# Altium PCB micromouse pcb.PcbDoc (part 1 of 2) (continued)
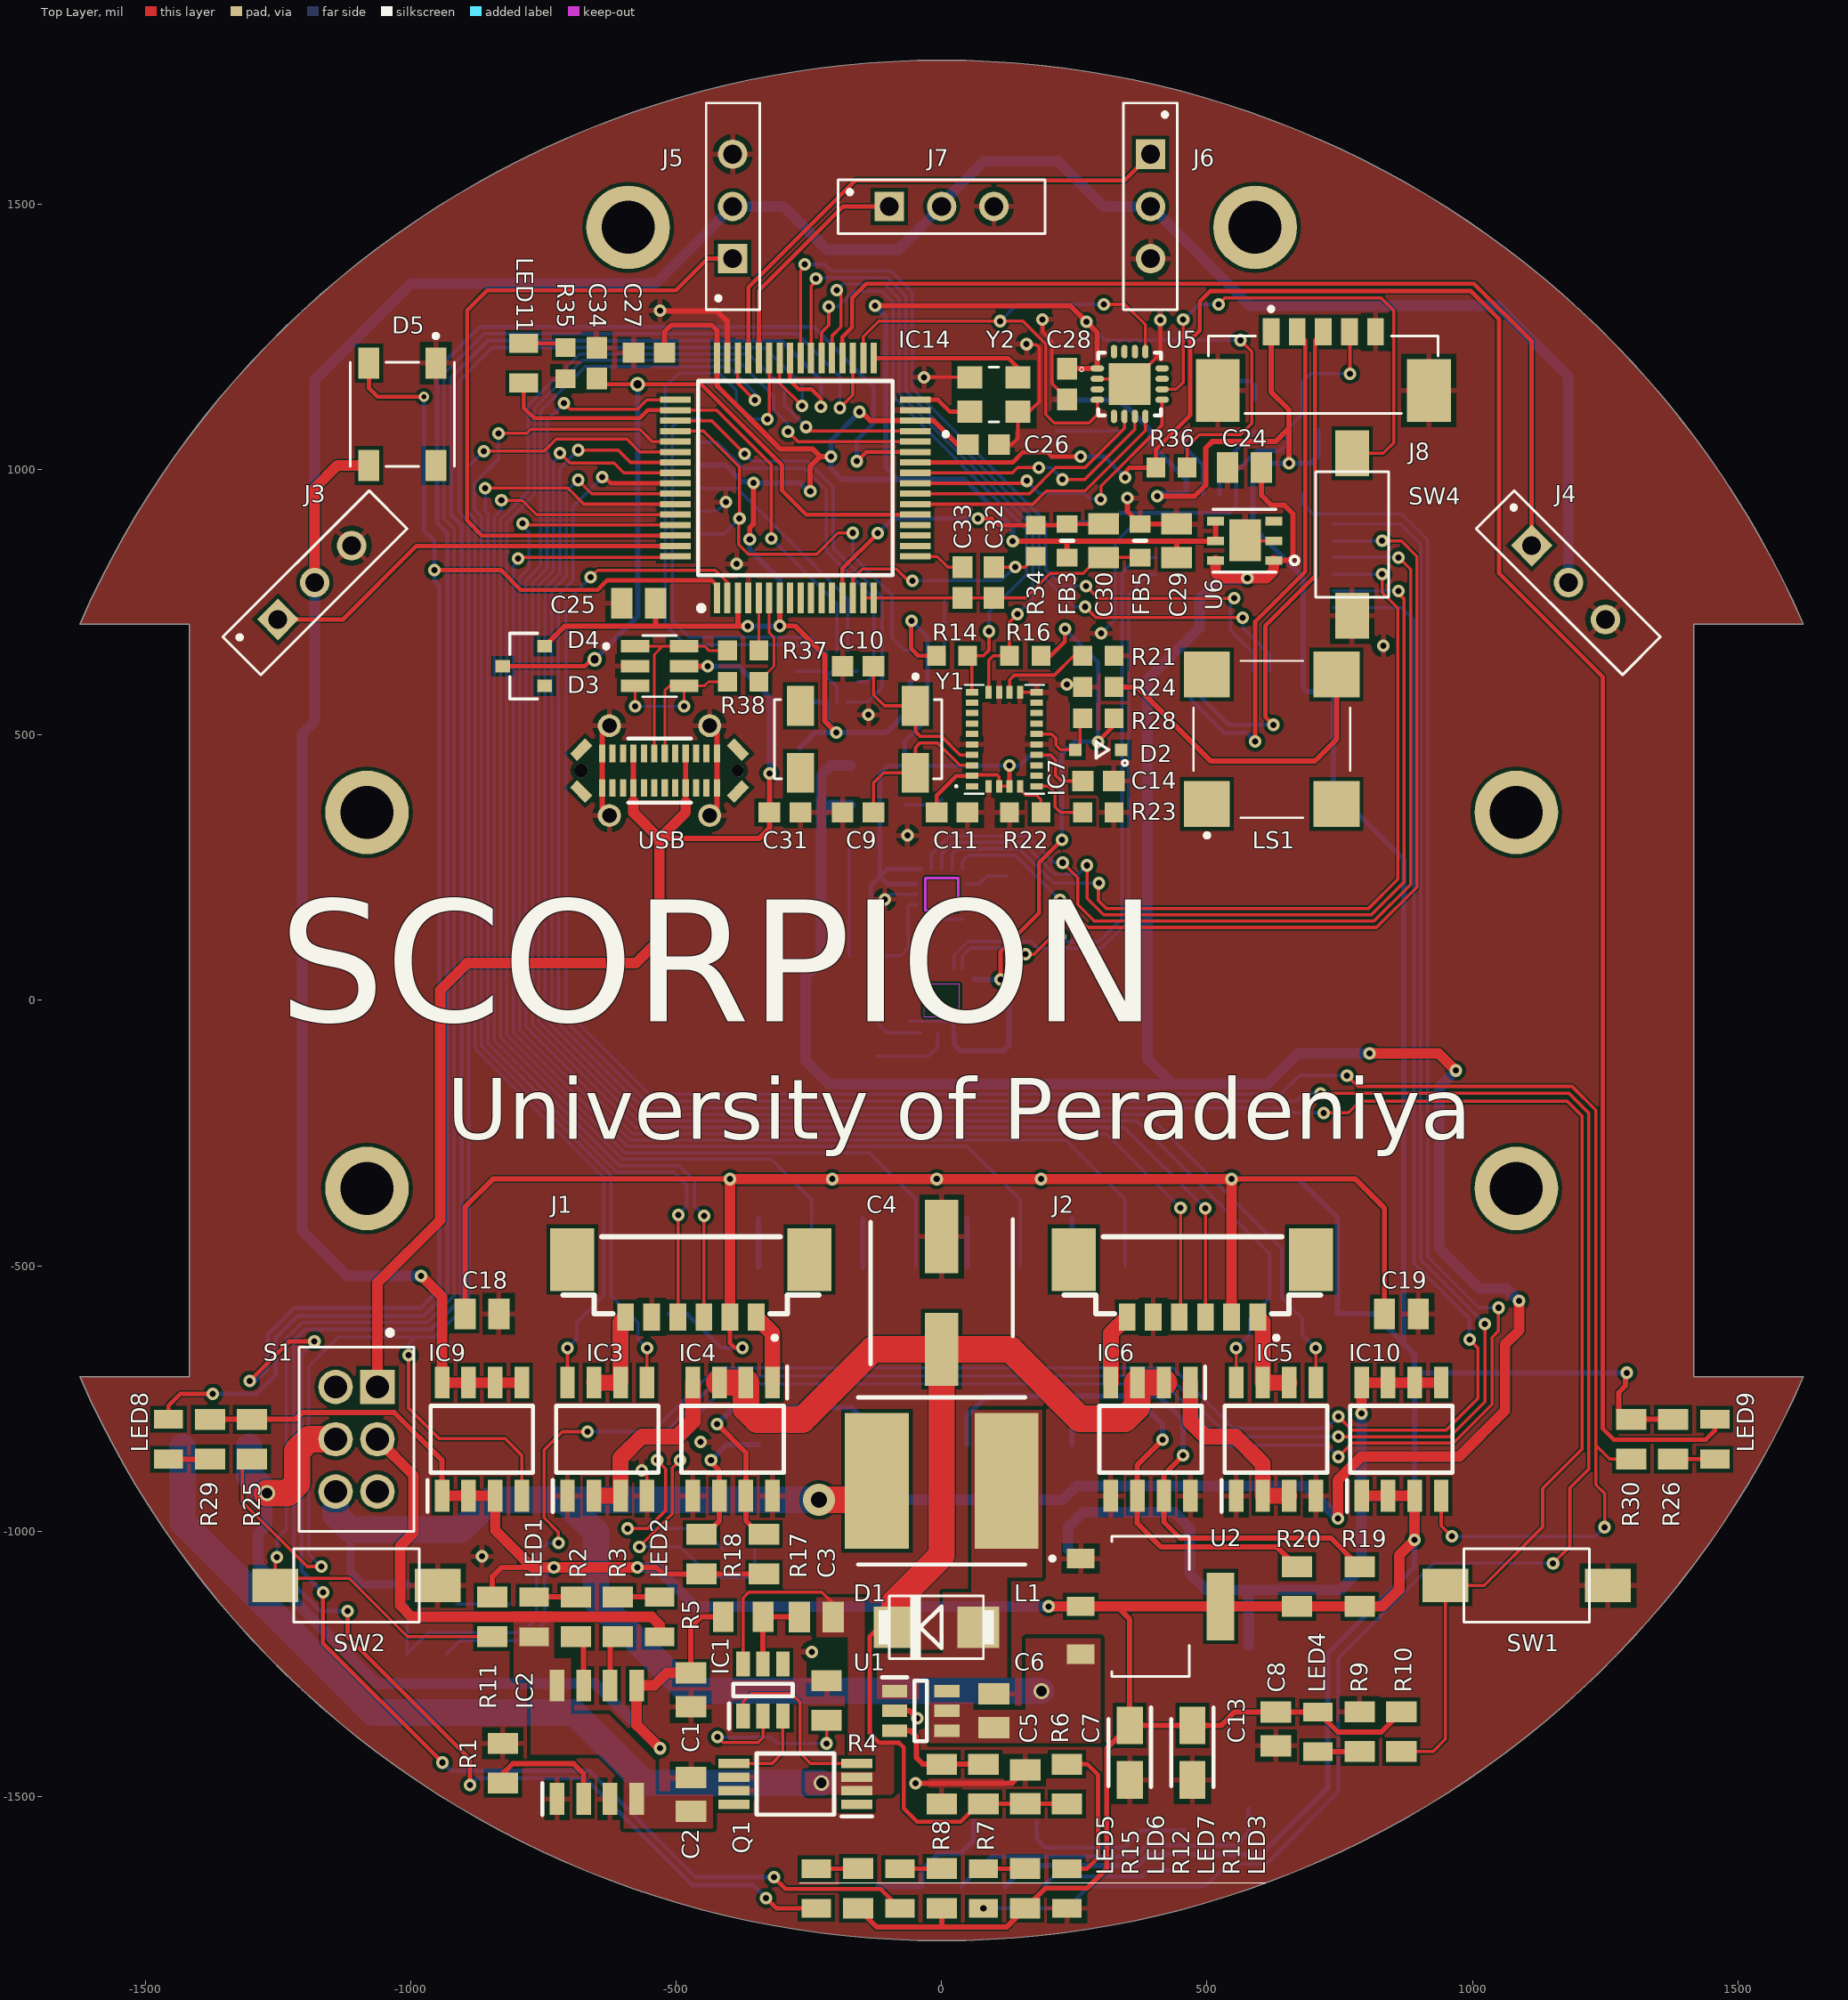
[diagram p0: Top Layer view]
## Components (designator, comment, footprint, x,y, rotation, side; value= is the part's Value field where it differs from the comment) (continued)
R36 "resistor" RESC1608X55N 433.07,1003.94 r0 top value=10K
R37 "resistor" RESC1608X55N -374.02,659.45 r180 top value=33
R38 "resistor" RESC1608X55N -374.02,600.39 r180 top value=33
R39 "resistor" RESC1608X55N 590.55,1102.36 r90 bottom value=33
R40 "CPF0805" RESC2012X65N -969.68,-1231 r0 bottom value=10K
R41 "CPF0805" RESC2012X65N -148.43,-374.02 r270 bottom value=1K
R42 "CPF0805" RESC2012X65N -345.28,-374.02 r270 bottom value=1K
R43 "CPF0805" RESC2012X65N 48.43,-374.02 r270 bottom value=1K
R44 "CPF0805" RESC2012X65N 245.28,-374.02 r270 bottom value=1K
R45 "CPF0805" RESC2012X65N -551.18,-590.55 r180 bottom value=100K
R46 "CPF0805" RESC2012X65N 708.66,-590.55 r180 bottom value=100K
R47 "CPF0805" RESC2012X65N -708.66,-590.55 r0 bottom value=2K
R48 "CPF0805" RESC2012X65N 551.18,-590.55 r0 bottom value=2K
R49 "resistor" RESC1608X55N -151,-41.5 r0 bottom value=0
R50 "resistor" RESC1608X55N -59.13,630 r270 bottom value=10K
R51 "resistor" RESC1608X55N 5,630 r270 bottom value=10K
S1 "1-1437575-7" *SW_1-1437575-7 -1102.36,-826.77 r270 top
SW1 "1437566-3" *TE_FSMSM 1102.36,-1102.36 r180 top
SW2 "1437566-3" *TE_FSMSM -1102.36,-1102.36 r180 top
SW3 "1437566-3" *TE_FSMSM 578.03,-1369.02 r90 bottom
SW4 "1437566-3" *TE_FSMSM 773.43,877.8 r270 top
SW5 "1437566-3" *TE_FSMSM 236.22,748.03 r90 bottom
U1 "MT3608" SOT95P280X145-6N -39.37,-1338.58 r0 top
U2 "AMS1117" *SOT229P700X180-4N 393.7,-1141.73 r0 top
U3 "BLUETOOTH-SERIAL-HC-06" *XCVR_BLUETOOTH-SERIAL-HC-06 -155.71,-1290.51 r270 bottom
U4 "MPU-9250" *QFN40P300X300X105-24N 0,0 r180 bottom
U5 "MKL02Z32VFG4" *QFN50P300X300X65-17N 354.33,1161.42 r0 top
U6 "LP38691SD-3.3" *DFN300X300X80-7N 570.87,866.14 r180 top
U7 "PC817X2NIP0F" *SOT254P975X400-4N -98.43,-669.29 r270 bottom
U8 "PC817X2NIP0F" *SOT254P975X400-4N 98.43,-669.29 r270 bottom
U9 "PC817X2NIP0F" *SOT254P975X400-4N -295.28,-669.29 r270 bottom
U10 "PC817X2NIP0F" *SOT254P975X400-4N 295.28,-669.29 r270 bottom
U12 "74LCX125BQX" *QFN50P300X250X85-15N -216.54,610.24 r270 bottom
U15 "NCP303LSN36T1G" TSOP-5 -960.08,-1099.84 r0 bottom
USB "USB4070-XX-X_REVC" *GCT_USB4070-XX-X_REVC_USB4070-XX-X_REVC(Primary) -531.5,433.07 r180 top
Y1 "ABS25-32.768KHZ-T" *XTAL_ABS25-32.768KHZ-6-1-T -157.48,492.13 r270 top
Y2 "NX3225SA-12.000M-STD-CRS-2" *OSCCC320X250X60N 98.43,1141.73 r0 top value=16MHz
Y3 "NX3225SA-12.000M-STD-CRS-2" *OSCCC320X250X60N 492.13,1122.05 r90 bottom value=16MHz

## Footprints (in the part's own frame and the unit in brackets; to place one, negate y for a bottom-side part, rotate by r counter-clockwise, add the part's x,y. Pads: shape width x height; smd on the part's side, far side on the other; paste and mask are expansions set on the pad)
533980671 [mm]
  rect 0.8x1.3 smd: 1(-3.125,0.15) 2(-1.875,0.15) 3(-0.625,0.15) 4(0.625,0.15) 5(1.875,0.15) 6(3.125,0.15)
  rect 2.1x3 smd: 7(-5.675,-2.6) 8(5.675,-2.6)
  silkscreen extent -6.12,-3.7 6.12,1.22, body extent -6.33,-3.98 6.32,0.22, height 4.69
*CAPC1608X95N [mm]
  rect 1.04x0.97 smd: 1(-0.74,0) 2(0.74,0)
  body extent -0.85,-0.45 0.85,0.45, height 0.9
*DFN300X300X80-7N [mil]
  rect 32x16 smd: 1(-55,37) 2(-55,0) 3(-55,-37) 4(55,-37) 5(55,0) 6(55,37)
  rect 59x79 smd: 7(-1,-1)
  silkscreen extent -102,-59 59,59, body extent -60,-61 58,57, height 31
*GCT_USB4070-XX-X_REVC_USB4070-XX-X_REVC(Primary) [mm]
  round 1.1 hole 0.7: 1(-2.4,2.15) 2(2.4,2.15) 7(-2.4,-2.15) 8(2.4,-2.15)
  rect 1.03x0.5 smd rot 45: 3(-3.75,1) 6(3.75,-1)
  rect 1.03x0.5 smd rot 135: 4(3.75,1) 5(-3.75,-1)
  rect 0.3x0.85 smd: A1(-2.75,0.83) A2(-2.25,0.83) A3(-1.75,0.83) A4(-1.25,0.83) A5(-0.75,0.83) A6(-0.25,0.83) A7(0.25,0.83) A8(0.75,0.83) A9(1.25,0.83) A10(1.75,0.83) A11(2.25,0.83) A12(2.75,0.83) B1(2.75,-0.83) B2(2.25,-0.83) B3(1.75,-0.83) B4(1.25,-0.83) B5(0.75,-0.83) B6(0.25,-0.83) B7(-0.25,-0.83) B8(-0.75,-0.83) B9(-1.25,-0.83) B10(-1.75,-0.83) B11(-2.25,-0.83) B12(-2.75,-0.83)
  round 0.58 hole 0.58 unplated: None(-3.75,0)
  round 0.66 hole 0.66 unplated: None(3.75,0)
  silkscreen extent -1.5,-1.53 1.5,1.53, body extent -4.47,-2.3 4.47,2.3, height 9.19
*LED_1655 [mm]
  rect 1.5x1 smd: 1(-2.45,1.6) 2(-2.45,-1.6) 3(2.45,-1.6) 4(2.45,1.6)
  silkscreen extent -3.85,-2.5 2.5,2.5, body extent -2.68,-2.47 2.67,2.48, height 1.5
*MOLEX_503182-1852_503182-1852(Primary) [mm]
  rect 0.8x1.24 smd: 1(-2.9,6.355) 2(-1.8,6.355) 3(-0.7,6.355) 4(0.4,6.355) 5(1.5,6.355) 6(2.6,6.355) 7(3.7,6.355) 8(4.8,6.355)
  rect 1.16x1.2 smd: DT(6.74,-5.275)
  rect 0.95x2.5 smd: P1(-7.245,5.725)
  rect 1.15x2.2 smd: P2(7.145,5.875) P3(-7.145,-5.605)
  rect 1.5x1.15 smd: P4(-2.84,-6.4) P5(4.94,-6.4)
  rect 1.16x1.25 smd: SW(6.74,3.725)
  silkscreen extent -7.07,-6.73 7.07,8.99, body extent -7.47,-6.7 7.47,8.25, height 1.45
*MOLEX_0022057035_5268-03A [mm]
  rect 1.408x1.408 hole 0.9: 1(-2.5,0)
  round 1.408 hole 0.9: 2(0,0) 3(2.5,0)
  silkscreen extent -4.95,-1.3 4.95,1.27, body extent -4.44,-4.22 4.45,6.7, height 19.68
*MOLEX_0533980571_0533980571(Primary) [mm]
  rect 0.8x1.3 smd: 1(-2.5,0.65) 2(-1.25,0.65) 3(0,0.65) 4(1.25,0.65) 5(2.5,0.65)
  rect 2.1x3 smd: S1(-5.05,-2.15) S2(5.05,-2.15)
  silkscreen extent -5.5,-3.25 5.5,1.85, body extent -5.7,-3.25 5.7,0.95, height 4.73
*OSCCC320X250X60N [mm]
  rect 1.21x1.06 smd: 1(-1.15,-0.825) 2(1.15,-0.825) 3(1.15,0.825) 4(-1.15,0.825)
  silkscreen extent -2.4,-2 0.23,1.31, body extent -1.6,-1.25 1.6,1.25, height 0.6
*QFN40P300X300X105-24N [mm]
  rect 0.64x0.22 smd: 1(-1.545,1) 2(-1.545,0.6) 3(-1.545,0.2) 4(-1.545,-0.2) 5(-1.545,-0.6) 6(-1.545,-1) 13(1.545,-1) 14(1.545,-0.6) 15(1.545,-0.2) 16(1.545,0.2) 17(1.545,0.6) 18(1.545,1)
  rect 0.22x0.64 smd: 7(-1,-1.545) 8(-0.6,-1.545) 9(-0.2,-1.545) 10(0.2,-1.545) 11(0.6,-1.545) 12(1,-1.545) 19(1,1.545) 20(0.6,1.545) 21(0.2,1.545) 22(-0.2,1.545) 23(-0.6,1.545) 24(-1,1.545)
  Keep-Out Layer region: -0.85,0.77 0.85,0.77 0.85,-0.77 -0.85,-0.77
  Keep-Out Layer region: -0.85,0.77 0.85,0.77 0.85,-0.77 -0.85,-0.77
  Keep-Out Layer region: -0.85,0.77 0.85,0.77 0.85,-0.77 -0.85,-0.77
  Keep-Out Layer region: -0.85,0.77 0.85,0.77 0.85,-0.77 -0.85,-0.77
  Keep-Out Layer region: -0.85,0.77 0.85,0.77 0.85,-0.77 -0.85,-0.77
  Keep-Out Layer region: -0.85,0.77 0.85,0.77 0.85,-0.77 -0.85,-0.77
  silkscreen extent -2.5,-1.55 1.55,1.55, body extent -1.5,-1.5 1.5,1.5, height 1
*QFN50P300X250X85-15N [mm]
  rect 0.27x0.78 smd: 1(-0.25,1.46) 7(-0.25,-1.46) 8(0.25,-1.46) 14(0.25,1.46)
  rect 0.78x0.27 smd: 2(-1.21,1) 3(-1.21,0.5) 4(-1.21,0) 5(-1.21,-0.5) 6(-1.21,-1) 9(1.21,-1) 10(1.21,-0.5) 11(1.21,0) 12(1.21,0.5) 13(1.21,1)
  rect 1.15x1.65 smd: 15(0,0)
  silkscreen extent -1.28,-1.53 1.28,2.5, body extent -1.25,-1.5 1.25,1.5, height 0.75
*QFN50P300X300X65-17N [mm]
  oval 0.65x0.3 smd: 1(-1.55,0.75) 2(-1.55,0.25) 3(-1.55,-0.25) 4(-1.55,-0.75) 9(1.55,-0.75) 10(1.55,-0.25) 11(1.55,0.25) 12(1.55,0.75)
  oval 0.3x0.65 smd: 5(-0.75,-1.55) 6(-0.25,-1.55) 7(0.25,-1.55) 8(0.75,-1.55) 13(0.75,1.55) 14(0.25,1.55) 15(-0.25,1.55) 16(-0.75,1.55)
  rect 2x2 smd: 17(0,0)
  silkscreen extent -2.4,-1.5 1.5,1.5, body extent -1.5,-1.5 1.5,1.5, height 0.81
*QFP80P900X900X160-32N [mm]
  rect 1.1x0.45 smd: 1(-4.25,2.8) 2(-4.25,2) 3(-4.25,1.2) 4(-4.25,0.4) 5(-4.25,-0.4) 6(-4.25,-1.2) 7(-4.25,-2) 8(-4.25,-2.8) 17(4.25,-2.8) 18(4.25,-2) 19(4.25,-1.2) 20(4.25,-0.4) 21(4.25,0.4) 22(4.25,1.2) 23(4.25,2) 24(4.25,2.8)
  rect 0.45x1.1 smd: 9(-2.8,-4.25) 10(-2,-4.25) 11(-1.2,-4.25) 12(-0.4,-4.25) 13(0.4,-4.25) 14(1.2,-4.25) 15(2,-4.25) 16(2.8,-4.25) 25(2.8,4.25) 26(2,4.25) 27(1.2,4.25) 28(0.4,4.25) 29(-0.4,4.25) 30(-1.2,4.25) 31(-2,4.25) 32(-2.8,4.25)
  silkscreen extent -3.4,-3.4 3.4,3.4, body extent -4.5,-4.5 4.5,4.5, height 1.5
*SMA [mm]
  rect 2x2 smd: A(1.75,0) C(-2.25,0)
  silkscreen extent -3,-1.5 2.5,1.5, body extent -2.92,-1.46 2.36,1.46, height 2.41
*SOD323_1N4148WS(Primary) [mm]
  rect 0.6x0.6 smd: A(1.1,0) C(-1.1,0)
  silkscreen extent -1.4,-0.4 0.1,0.76, body extent -1.25,-0.62 1.25,0.63, height 0.89
*SOT23-R [mm]
  rect 0.6x0.7 smd: 1(-0.95,-1) 2(0.95,-1) 3(0,1)
  silkscreen extent -1.57,-0.65 1.57,0.66, body extent -1.45,-1.2 1.45,1.2, height 1.07
*SOT95P280X145-6N [mm]
  rect 1.36x0.6 smd: 1(-1.175,0.95) 2(-1.175,0) 3(-1.175,-0.95) 4(1.175,-0.95) 5(1.175,0) 6(1.175,0.95)
  silkscreen extent -2.65,-1.46 0.81,1.46, body extent -1.43,-1.46 1.37,1.46, height 1.42
*SOT229P700X180-4N [mm]
  rect 1.31x0.93 smd: 1(-3.345,2.29) 2(-3.345,0) 3(-3.345,-2.29)
  rect 1.31x3.24 smd: 4(3.345,0)
  silkscreen extent -4.8,-3.36 1.86,3.36, body extent -3.63,-3.25 3.37,3.25, height 1.78
*SOT254P975X400-4N [mm]
  oval 2.25x1.6 smd: 1(-4.25,1.27) 2(-4.25,-1.27) 3(4.25,-1.27) 4(4.25,1.27)
  silkscreen extent -4.44,-2.3 2.85,2.94, body extent -5.02,-2.3 5.03,2.3, height 3.87
*SW_1-1437575-7 [mm]
  rect 1.65x1.65 hole 1.1: 1(-2.5,1)
  round 1.65 hole 1.1: 2(0,1) 3(2.5,1) 4(-2.5,-1) 5(0,-1) 6(2.5,-1)
  silkscreen extent -5.22,-2.75 4.4,2.75
*TE_FSMSM [mm]
  rect 2.19x1.6 smd: 1(-3.886,0) 2(3.886,0)
  silkscreen extent -3,-1.75 3,1.75, body extent -3.89,-1.79 3.89,1.79, height 2.54
*XCVR_BLUETOOTH-SERIAL-HC-06 [mm]
  rect 1.5x1 smd: 1(-6.5,6.5) 2(-6.5,5) 3(-6.5,3.5) 4(-6.5,2) 5(-6.5,0.5) 6(-6.5,-1) 7(-6.5,-2.5) 8(-6.5,-4) 9(-6.5,-5.5) 10(-6.5,-7) 11(-6.5,-8.5) 12(-6.5,-10) 13(-6.5,-11.5) 22(6.5,-11.5) 23(6.5,-10) 24(6.5,-8.5) 25(6.5,-7) 26(6.5,-5.5) 27(6.5,-4) 28(6.5,-2.5) 29(6.5,-1) 30(6.5,0.5) 31(6.5,2) 32(6.5,3.5) 33(6.5,5) 34(6.5,6.5)
  rect 1x1.5 smd: 14(-5.25,-13.25) 15(-3.75,-13.25) 16(-2.25,-13.25) 17(-0.75,-13.25) 18(0.75,-13.25) 19(2.25,-13.25) 20(3.75,-13.25) 21(5.25,-13.25)
  silkscreen extent -7.6,-13.25 6.5,13.45, body extent -6.5,-12.75 6.5,14.25, height 4.3
*XTAL_ABS25-32.768KHZ-6-1-T [mm]
  rect 1.9x1.3 smd: 1(-1.6,2.75) 2(-1.6,-2.75) 3(1.6,-2.75) 4(1.6,2.75)
  silkscreen extent -3.1,-4 1.9,4, body extent -2,-4 2,4, height 2.66
AST7525MAQ [mm]
  rect 2.2x2.2 smd: 1(-3.1,3.1) 2(3.1,3.1) 3(3.1,-3.1) 4(-3.1,-3.1)
  silkscreen extent -4.7,-3.75 3.75,3.75, body extent -3.98,-3.98 3.98,3.98, height 2.6
BEADC1608X95N [mm]
  rect 0.85x1 smd: 1(-0.8,0) 2(0.8,0)
  silkscreen extent 0,-0.3 0,0.3, body extent -0.8,-0.4 0.8,0.4, height 0.95
BNO055 [mm]
  rect 0.3x0.6 smd: 1(-2.25,1.55) 6(-2.25,-1.55) 7(-1.75,-1.55) 8(-1.25,-1.55) 9(-0.75,-1.55) 10(-0.25,-1.55) 11(0.25,-1.55) 12(0.75,-1.55) 13(1.25,-1.55) 14(1.75,-1.55) 15(2.25,-1.55) 20(2.25,1.55) 21(1.75,1.55) 22(1.25,1.55) 23(0.75,1.55) 24(0.25,1.55) 25(-0.25,1.55) 26(-0.75,1.55) 27(-1.25,1.55) 28(-1.75,1.55)
  rect 0.6x0.3 smd: 2(-2.25,0.75) 3(-2.25,0.25) 4(-2.25,-0.25) 5(-2.25,-0.75) 16(2.25,-0.75) 17(2.25,-0.25) 18(2.25,0.25) 19(2.25,0.75)
  silkscreen extent -2.6,-1.9 2.6,2.35, body extent -2.6,-1.9 2.6,1.9, height 1.1
CAPAE830X1050N [mm]
  rect 3.5x1.6 smd: 1(-2.7,0) 2(2.7,0)
  silkscreen extent -3.4,-3.4 3.53,3.4, body extent -3.9,-3.4 3.9,3.4, height 5.5
CAPC2012X94N [mm]
  rect 1.02x1.47 smd: 1(-0.81,0) 2(0.81,0)
  body extent -1,-0.62 1.01,0.63, height 0.94
CAPPM3216X180N [mm]
  rect 1.8x1.25 smd: 1(-1.3,0) 2(1.3,0)
  silkscreen extent -2.16,-1.02 1.64,1.02, body extent -1.6,-0.8 1.6,0.8, height 1.8
INDPM8080X420N [mm]
  rect 3.05x6.5 smd: 1(-3.1,0) 2(3.1,0)
  silkscreen extent -4,-4 4,4, body extent -5.05,-4.95 5.05,4.95, height 3.8
LEDC2012X80N [mm]
  rect 0.9x1.4 smd: 1(-0.95,0) 2(0.95,0)
  body extent -1,-0.62 1,0.63, height 0.8
PULL-BACK-QFN-16 [mm]
  rect 1x0.3 smd: 1(-1.2,1) 2(-1.2,0.5) 3(-1.2,0) 4(-1.2,-0.5) 5(-1.2,-1) 9(1.2,-1) 10(1.2,-0.5) 11(1.2,0) 12(1.2,0.5) 13(1.2,1)
  rect 0.3x1 smd: 6(-0.5,-1.2) 7(0,-1.2) 8(0.5,-1.2) 14(0.5,1.2) 15(0,1.2) 16(-0.5,1.2)
  Keep-Out Layer lines w0.127: 0.787,0.787 0.787,-0.787 -0.787,-0.787 -0.787,0.787 0.787,0.787
  silkscreen extent -2.04,-1.68 1.68,1.68, body extent -2.16,-1.5 2.92,2.03, height 0.78
QFP50P1200X1200X160-64N [mm]
  rect 1.475x0.3 smd: 1(-5.738,3.75) 2(-5.738,3.25) 3(-5.738,2.75) 4(-5.738,2.25) 5(-5.738,1.75) 6(-5.738,1.25) 7(-5.738,0.75) 8(-5.738,0.25) 9(-5.738,-0.25) 10(-5.738,-0.75) 11(-5.738,-1.25) 12(-5.738,-1.75) 13(-5.738,-2.25) 14(-5.738,-2.75) 15(-5.738,-3.25) 16(-5.738,-3.75) 33(5.738,-3.75) 34(5.738,-3.25) 35(5.738,-2.75) 36(5.738,-2.25) 37(5.738,-1.75) 38(5.738,-1.25) 39(5.738,-0.75) 40(5.738,-0.25) 41(5.738,0.25) 42(5.738,0.75) 43(5.738,1.25) 44(5.738,1.75) 45(5.738,2.25) 46(5.738,2.75) 47(5.738,3.25) 48(5.738,3.75)
  rect 0.3x1.475 smd: 17(-3.75,-5.738) 18(-3.25,-5.738) 19(-2.75,-5.738) 20(-2.25,-5.738) 21(-1.75,-5.738) 22(-1.25,-5.738) 23(-0.75,-5.738) 24(-0.25,-5.738) 25(0.25,-5.738) 26(0.75,-5.738) 27(1.25,-5.738) 28(1.75,-5.738) 29(2.25,-5.738) 30(2.75,-5.738) 31(3.25,-5.738) 32(3.75,-5.738) 49(3.75,5.738) 50(3.25,5.738) 51(2.75,5.738) 52(2.25,5.738) 53(1.75,5.738) 54(1.25,5.738) 55(0.75,5.738) 56(0.25,5.738) 57(-0.25,5.738) 58(-0.75,5.738) 59(-1.25,5.738) 60(-1.75,5.738) 61(-2.25,5.738) 62(-2.75,5.738) 63(-3.25,5.738) 64(-3.75,5.738)
  silkscreen extent -6.35,-4.65 4.65,4.65, body extent -6,-6 6,6, height 1.6
RESC1608X55N [mm]
  rect 0.9x0.95 smd: 1(-0.75,0) 2(0.75,0)
  body extent -0.77,-0.4 0.77,0.4, height 0.55
RESC2012X65N [mm]
  rect 1x1.45 smd: 1(-0.95,0) 2(0.95,0)
  body extent -1,-0.62 1,0.63, height 0.65
SI4143DY-T1-GE3 [mm]
  rect 1.525x0.7 smd: 1(-2.712,1.905) 2(-2.712,0.635) 3(-2.712,-0.635) 4(-2.712,-1.905) 5(2.712,-1.905) 6(2.712,-0.635) 7(2.712,0.635) 8(2.712,1.905)
  silkscreen extent -3.47,-2.45 1.6,2.61, body extent -3,-2.45 3,2.45, height 1.75
SOIC127P600X175-8N [mm]
  rect 1.525x0.7 smd: 1(-2.712,1.905) 2(-2.712,0.635) 3(-2.712,-0.635) 4(-2.712,-1.905) 5(2.712,-1.905) 6(2.712,-0.635) 7(2.712,0.635) 8(2.712,1.905)
  silkscreen extent -3.47,-2.45 1.6,2.6, body extent -3,-2.45 3,2.45, height 1.75
SOIC127P600X175-9N [mm]
  rect 1.525x0.7 smd: 1(-2.712,1.905) 2(-2.712,0.635) 3(-2.712,-0.635) 4(-2.712,-1.905) 5(2.712,-1.905) 6(2.712,-0.635) 7(2.712,0.635) 8(2.712,1.905)
  rect 2.513x3.402 on Mech1: 9(0,0)
  silkscreen extent -3.47,2.61 -1.95,2.61, body extent -3,-2.45 3,2.45, height 1.75
SOP65P640X120-8N [mm]
  rect 1.475x0.45 smd: 1(-2.938,0.975) 2(-2.938,0.325) 3(-2.938,-0.325) 4(-2.938,-0.975) 5(2.938,-0.975) 6(2.938,-0.325) 7(2.938,0.325) 8(2.938,0.975)
  silkscreen extent -3.68,-1.47 1.85,1.55, body extent -3.2,-1.47 3.2,1.47, height 1.2
SOT95P280X135-6N [mm]
  rect 1.2x0.65 smd: 1(-1.25,0.95) 2(-1.25,0) 3(-1.25,-0.95) 4(1.25,-0.95) 5(1.25,0) 6(1.25,0.95)
  silkscreen extent -1.85,-1.43 0.3,1.63, body extent -1.4,-1.42 1.4,1.43, height 1.35
SOT95P280X145-5N [mil]
  rect 50x22 smd: 1(-51,37) 2(-51,0) 3(-51,-37) 4(51,-37) 5(51,37)
  silkscreen extent -21,-60 34,60, body extent -105,-75 55,57, height 153
SOT95P280X145-6N [mm]
  rect 1.2x0.6 smd: 1(-1.25,0.95) 2(-1.25,0) 3(-1.25,-0.95) 4(1.25,-0.95) 5(1.25,0) 6(1.25,0.95)
  silkscreen extent -1.85,-1.45 0.3,1.6, body extent -1.4,-1.45 1.4,1.45, height 1.45
TSOP-5 [mil]
  rect 52x22 smd: 1(-47,37.4) 2(-47,0) 3(-47,-37.4) 4(47,-37.4) 5(47,37.4)
  silkscreen extent -34,-64 34,64, body extent -59,-59 59,59, height 43

## Part data
C1 C2 C3 C5 C6 C8 C18 C19 C21 C23 C24 C25 C29 C30 C46: "Capacitor", Manufacturer_Name=AVX, Mouser Part Number=581-08055A101J, RS Part Number=0391000P, Allied_Number=70474488, Allied Price/Stock=https://www.alliedelec.com/avx-08055a101jat2a/70474488/, Datasheet Link=https://componentsearchengine.com/Datasheets/1/06031A100FAT2A.pdf, Height=0.94mm, Manufacturer_Part_Number=08055A101JAT2A, Mouser Price/Stock=https://www.mouser.com/Search/Refine.aspx?Keyword=581-08055A101J, RS Price/Stock=http://uk.rs-online.com/web/p/products/0391000P
C4: "Capacitor Polarised", Manufacturer_Name=Nichicon, Mouser1 Part Number=647-UUD1E221MNL, RS Part Number=7393453P, Allied_Number=70409814, Allied Price/Stock=https://www.alliedelec.com/nichicon-uud1e221mnl1gs/70409814/, Datasheet Link=https://www.mouser.com/datasheet/2/293/e-uud-1513238.pdf, Height=10.5mm, Manufacturer_Part_Number=UUD1E221MNL1GS, Mouser1 Price/Stock=https://www.mouser.com/Search/Refine.aspx?Keyword=647-UUD1E221MNL, RS Price/Stock=http://uk.rs-online.com/web/p/products/7393453P
C7 C13 C20 C22: "Capacitor Polarised"
C9 C10 C11 C12 C14 C15 C16 C17 C26 C27 C28 C31 C32 C33 C34 C35 C36 C37 C38 C39 C40 C41 C42 C43 C44 C45 C47: "Capacitor"
D1: library part SS34_1, "Diode Schottky 40V 3A 2-Pin SMC T/R", Package="DO-214AB-214 ON Semiconductor", Availability=Unavailable, MF="ON Semiconductor", MP=SS34, Price=None, SnapEDA_Link=https://www.snapeda.com/parts/SS34/ON%20Semiconductor/view-part/?ref=snap
D2: "Diode Switching 75V 0.3A 2-Pin SOD-323 T/R", Package="S-0 Good-Ark", Availability=Unavailable, MF="ON Semiconductor", MP=1N4148WS, Price=None, SnapEDA_Link=https://www.snapeda.com/parts/1N4148WS/ON%20Semiconductor/view-part/?ref=snap
D3: Package="SOT-23-3 ON Semiconductor", Availability=Unavailable, MF="ON Semiconductor", MP=BAT54C, Price=None, SnapEDA_Link=https://www.snapeda.com/parts/BAT54C/ON%20Semiconductor/view-part/?ref=snap
D4: "USBLC6 Series 2 Line 6 V Uni / Bi-Directional ESD Protection - SOT-23-6", Package="SOT-23-6 STMicroelectronics", Availability=Unavailable, MF=STMicroelectronics, MP=USBLC6-2SC6, Price=None, SnapEDA_Link=https://www.snapeda.com/parts/USBLC6-2SC6/STMicroelectronics/view-part/?ref=snap
D5: "Addressable Lighting Neopixel 10 LED Discrete Serial _Shift Register_ Red, Green, Blue _RGB_ 5.00mm L x 5.00mm W", Package="TO-3 Adafruit", Digi-Key_Part_Number=1528-1104-ND, Digi-Key_Purchase_URL=https://www.digikey.lk/product-detail/en/adafruit-industries-llc/1655/1528-1104-ND/5154679?utm_source=snapeda&utm_medium=aggregator&utm_campaign=symbol, MF=Adafruit, MP=1655, SnapEDA_Link=https://www.snapeda.com/parts/1655/Adafruit%20Industries/view-part/4299409/?ref=snap
FB2 FB3 FB5: "Ferrite Bead"
IC1: "Integrated Circuit", Manufacturer_Name="Fortune Semiconductor Corporation", Datasheet Link=https://cdn.sparkfun.com/assets/learn_tutorials/2/5/1/DW01-P_DataSheet_V10.pdf, Height=1.35mm, Manufacturer_Part_Number=DW01-P
IC2: "Integrated Circuit", Manufacturer_Name="NanJing Top Power", Datasheet Link=https://dlnmh9ip6v2uc.cloudfront.net/datasheets/Prototyping/TP4056.pdf, Height=1.75mm, Manufacturer_Part_Number=TP4056
IC3 IC5: "Integrated Circuit", Manufacturer_Name="Maxim Integrated", Mouser Part Number=700-MAX471CPANR, RS Part Number=0810352, Datasheet Link=https://pdfserv.maximintegrated.com/en/ds/MAX471-MAX472.pdf, Height=1.75mm, Manufacturer_Part_Number=MAX471CPA, Mouser Price/Stock=https://www.mouser.com/Search/Refine.aspx?Keyword=700-MAX471CPANR, RS Price/Stock=http://uk.rs-online.com/web/p/products/0810352
IC4 IC6: "Integrated Circuit", Manufacturer_Name="Wuxi I-core Elec", Datasheet Link=https://datasheet.lcsc.com/szlcsc/Wuxi-Zhongwei-Aisin-Elec-L9110S_C85174.pdf, Height=1.75mm, Manufacturer_Part_Number=L9110S
IC7: "Integrated Circuit", Manufacturer_Name="Bosch Sensortec", Mouser Part Number=262-BNO055, Datasheet Link=https://ae-bst.resource.bosch.com/media/_tech/media/datasheets/BST_BNO055_DS000_14.pdf, Height=1mm, Manufacturer_Part_Number=BNO055, Mouser Price/Stock=https://www.mouser.com/Search/Refine.aspx?Keyword=262-BNO055
IC8 IC9 IC10 IC12: "Integrated Circuit"
IC13: "Entry-level ARM Cortex-M0 USB line MCU with 32 Kbytes Flash, 48 MHz CPU, USB, CAN and CEC functions", Package="LQFP-32 STMicroelectronics", Availability=Unavailable, MF=STMicroelectronics, MP=STM32F042K6T7, Price=None, SnapEDA_Link=https://www.snapeda.com/parts/STM32F042K6T7/STMicroelectronics/view-part/?ref=snap
IC14: library part MK20DX256VLH7_1, "Kinetis K20: 72MHz Cortex-M4 Performance MCU, 288KB Flash, 64KB SRAM, Full-Speed USB, 64-LQFP", Package="LQFP-64 NXP Semiconductors", Availability=Unavailable, MF="NXP USA", MP=MK20DX256VLH7, Price=None, SnapEDA_Link=https://www.snapeda.com/parts/MK20DX256VLH7/NXP%20USA%20Inc./view-part/?ref=snap
J1 J2: library part 53398-0671, "Connector", Manufacturer_Name=Molex, Mouser Part Number=538-53398-0671, RS Part Number=5427214P, Allied_Number=70090674, Allied Price/Stock=http://www.alliedelec.com/molex-incorporated-53398-0671/70090674/, Datasheet Link=http://docs-emea.rs-online.com/webdocs/13c4/0900766b813c4502.pdf, Manufacturer_Part_Number=53398-0671, Mouser Price/Stock=https://www.mouser.com/Search/Refine.aspx?Keyword=538-53398-0671, RS Price/Stock=http://uk.rs-online.com/web/p/products/5427214P
J3 J4 J5 J6 J7: "Socket; wire-board; male; PIN: 3; 2.5mm; THT; SPOX; 3A; tinned; 20", Package=None, Availability=Unavailable, MF=Molex, MP="0022057035 5268-03A", Price=None, SnapEDA_Link=https://www.snapeda.com/parts/0022057035%205268-03A/Molex/view-part/?ref=snap
J8: "Conn Shrouded Header HDR 5 POS 1.25mm Solder ST SMD PicoBladeÃ¢â¢ Embossed T/R", Package=None, Availability=Unavailable, MF=Molex, MP=0533980571, Price=None, SnapEDA_Link=https://www.snapeda.com/parts/0533980571/Molex/view-part/472893/?ref=snap
J9: "MICRO SD NORMAL ULTRALOWPRO8CKTE", Package=None, Availability=Unavailable, MF=Molex, MP=5031821852, Price=None, SnapEDA_Link=https://www.snapeda.com/parts/5031821852/Molex/view-part/?ref=snap
L1: "Inductor", Manufacturer_Name="Wurth Elektronik", Mouser Part Number=710-74404084220, RS Part Number=8164733P, Datasheet Link=https://katalog.we-online.de/pbs/datasheet/74404084220.pdf, Height=4.2mm, Manufacturer_Part_Number=74404084220, Mouser Price/Stock=https://www.mouser.com/Search/Refine.aspx?Keyword=710-74404084220, RS Price/Stock=http://uk.rs-online.com/web/p/products/8164733P
LED1 LED2 LED3 LED4 LED5 LED6 LED7 LED8 LED9 LED10 LED11: "LED", Manufacturer_Name="Wurth Elektronik", Mouser Part Number=710-150080BS75000, RS Part Number=8154228P, Datasheet Link=https://katalog.we-online.com/led/datasheet/150080BS75000.pdf, Height=0.8mm, Manufacturer_Part_Number=150080BS75000, Mouser Price/Stock=https://www.mouser.com/Search/Refine.aspx?Keyword=710-150080BS75000, RS Price/Stock=http://uk.rs-online.com/web/p/products/8154228P
LS1: "Loudspeaker or Buzzer", Manufacturer_Name="Mallory Sonalert", Mouser Part Number=539-AST7525MAQ, Allied_Number=70186690, Allied Price/Stock=https://www.alliedelec.com/mallory-sonalert-ast7525maq/70186690/, Datasheet Link=https://www.mspindy.com/specifications/AST7525MAQ.PDF, Height=2.5mm, Manufacturer_Part_Number=AST7525MAQ, Mouser Price/Stock=https://www.mouser.com/Search/Refine.aspx?Keyword=539-AST7525MAQ
Q1: "Transistor", Manufacturer_Name="SII Semiconductor", Datasheet Link=http://www.ic-fortune.com/upload/Download/FS8205A-DS-12_EN.pdf, Height=1.2mm, Manufacturer_Part_Number=FS8205A
R1 R2 R3 R4 R5 R6 R7 R8 R9 R10 R11 R12 R13 R15 R17 R18 R19 R20 R25 R26: "Resistor", Manufacturer_Name="TE Connectivity", Mouser Part Number=279-CPF0805B100KE, RS Part Number=6662673, Allied_Number=70286772, Allied Price/Stock=https://www.alliedelec.com/te-connectivity-cpf0805b100ke/70286772/, Datasheet Link=http://docs-europe.electrocomponents.com/webdocs/13d1/0900766b813d116f.pdf, Height=0.65mm, Manufacturer_Part_Number=CPF0805B100KE, Mouser Price/Stock=https://www.mouser.com/Search/Refine.aspx?Keyword=279-CPF0805B100KE, RS Price/Stock=https://uk.rs-online.com/web/p/products/6662673
R14 R16 R21 R22 R23 R24 R27 R28 R34 R35 R36 R37 R38 R39 R49 R50 R51: "Resistor"
R29 R30 R31 R32 R33 R40 R41 R42 R43 R44 R45 R46 R47 R48: "Resistor", Manufacturer_Name="TE Connectivity", Manufacturer_Part_Number=CPF0805B100KE, Mouser Part Number=279-CPF0805B100KE, RS Part Number=6662673, Allied_Number=70286772, Allied Price/Stock=https://www.alliedelec.com/te-connectivity-cpf0805b100ke/70286772/, Datasheet Link=http://docs-europe.electrocomponents.com/webdocs/13d1/0900766b813d116f.pdf, Height=0.65mm, Mouser Price/Stock=https://www.mouser.com/Search/Refine.aspx?Keyword=279-CPF0805B100KE, RS Price/Stock=https://uk.rs-online.com/web/p/products/6662673
S1: "Slide Switch ON ON DPDT Top Slide 0.4VA 20VAC 20VDC 10000Cycle PC Pins Through Hole", Package=None, Availability=Unavailable, MF="TE Connectivity", MP=1-1437575-7, Price=None, SnapEDA_Link=https://www.snapeda.com/parts/1-1437575-7/TE%20Connectivity%20ALCOSWITCH%20Switches/view-part/?ref=snap, TE_purchase_URL=https://www.te.com/usa-en/product-1-1437575-7.html?te_bu=Cor&te_type=disp&te_campaign=seda_glo_cor-seda-global-disp-prtnr-fy19-seda-model-bom-cta_sma-317_1&elqCampaignId=32493
SW1 SW2 SW3 SW4 SW5: library part FSMSM, "Switch Tactile OFF _ON_ SPST Rectangular Button Gull Wing 0.05A 12VDC SMD Loose Piece", Contact_Current_Rating="50 mA", Package=None, Availability=Unavailable, Configuration_Pole-Throw="Single Pole - Single Throw", MF="TE Connectivity", MP=FSMSM, Price=None, SnapEDA_Link=https://www.snapeda.com/parts/FSMSM/TE%20Connectivity%20ALCOSWITCH%20Switches/view-part/?ref=snap, TE_purchase_URL=https://www.te.com/usa-en/product-1437566-3.html?te_bu=Cor&te_type=disp&te_campaign=seda_glo_cor-seda-global-disp-prtnr-fy19-seda-model-bom-cta_sma-317_1&elqCampaignId=32493
U1: "Undefined or Miscellaneous", Manufacturer_Name=Aerosemi, Datasheet Link=https://www.olimex.com/Products/Breadboarding/BB-PWR-3608/resources/MT3608.pdf, Height=1.45mm, Manufacturer_Part_Number=MT3608
U2: "1A LOW DROPOUT VOLTAGE REGULATOR", Package="SOT-223 Seeed Technology", Availability=Unavailable, MF="Seeed Technology", MP=AMS1117, Price=None, SnapEDA_Link=https://www.snapeda.com/parts/AMS1117/Seeed%20Technology%20Co.%2C%20Ltd/view-part/?ref=snap
U3: "Bluetooth Modules _802.15.1_ BLUETOOTH-SERIAL-HC-06", Package=None, Availability=Unavailable, MF=Olimex, MP=BLUETOOTH-SERIAL-HC-06, Price=None, SnapEDA_Link=https://www.snapeda.com/parts/BLUETOOTH-SERIAL-HC-06/Olimex/view-part/?ref=snap
U4: "IMUs - Inertial Measurement Units RECOMMENDED ALT 410-ICM-20948", Package="TFQFN-24 TDK InvenSense", Availability=Unavailable, MF="TDK InvenSense", MP=MPU-9250, Price=None, SnapEDA_Link=https://www.snapeda.com/parts/MPU-9250/TDK%20InvenSense/view-part/?ref=snap
U5: library part MKL02Z32VFG4_1, "32 Bit Microcontroller, Kinetis L Series Ultra Low Power, ARM Cortex-M0+, 48 MHz, 32 KB, 4 KB, 16", Package="QFN-16 NXP Semiconductors", Availability=Unavailable, MF="NXP USA", MP=MKL02Z32VFG4, Price=None, SnapEDA_Link=https://www.snapeda.com/parts/MKL02Z32VFG4/NXP%20USA%20Inc./view-part/?ref=snap
U6: "500mA Low Dropout CMOS Linear Regulators Stable with Ceramic Output Capacitors 6-WSON -40 to 125", Package="WDFN-6 Texas Instruments", Availability=Unavailable, MF="Texas Instruments", MP=LP38691SD-3.3, Price=None, SnapEDA_Link=https://www.snapeda.com/parts/LP38691SD-3.3/Texas%20Instruments/view-part/?ref=snap
U7 U8 U9 U10: "Optocoupler DC-IN 1-CH Transistor DC-OUT 4-Pin PDIP SMD", Package="SMD-4 Sharp", Availability=Unavailable, MF="Sharp Microelectronics", MP=PC817X2NIP0F, Price=None, SnapEDA_Link=https://www.snapeda.com/parts/PC817X2NIP0F/Sharp%20Microelectronics/view-part/?ref=snap
U12: "Buffer/Line Driver 4-CH Non-Inverting 3-ST CMOS 14-Pin DQFN EP T/R", Package="DQFN-14 Fairchild Semiconductor", Availability=Unavailable, MF="ON Semiconductor", MP=74LCX125BQX, Price=None, SnapEDA_Link=https://www.snapeda.com/parts/74LCX125BQX/ON%20Semiconductor/view-part/?ref=snap
USB: "Usb Type c Rec. 30 , Vertical, Smt With Stakes & Pegs, Tray", Package=None, Availability=Unavailable, MF="Global Connector Technology", MP=USB4070-30-B, Price=None, SnapEDA_Link=https://www.snapeda.com/parts/USB4070-30-B/Global%20Connector%20Technology/view-part/?ref=snap
Y1: "32.768 Mhz Plastic Smt Low Pro", Package=None, Availability=Unavailable, MF="Abracon LLC", MP=ABS25-32.768KHZ, Price=None, SnapEDA_Link=https://www.snapeda.com/parts/ABS25-32.768KHZ/Abracon%20LLC/view-part/?ref=snap
Y2 Y3: "Crystal 12.0000mhz 8pf Smd", Package="SMD-4 NDK America", Availability=Unavailable, MF="NDK America,", MP=NX3225SA-12.000M-STD-CRS-2, Price=None, SnapEDA_Link=https://www.snapeda.com/parts/NX3225SA-12.000M-STD-CRS-2/NDK%20America%2C%20Inc./view-part/?ref=snap
U15: C="Copyright (C) 2016 Accelerated Designs. All rights reserved", Copyright="Copyright (C) 2016 Accelerated Designs. All rights reserved", Manufacturer_Part_Number=NCP303LSN36T1G, Vendor="ON Semiconductor"

## Free pads (board coordinates)
  round 157.48 hole 100: 2(-1082.68,354.33) 2(-1082.68,-354.33) 2(-590.55,1456.69) 2(590.55,1456.69) 2(1082.68,-354.33) 2(1082.68,354.33)
  round 100 smd far side: B+(-1305,-841) B-(-1430,-841)

## Via types
v1: diameter 23.62, hole 11.81, Top Layer to Bottom Layer, 80 vias
v2: diameter 23.62, hole 11.81, Top Layer to Bottom Layer, tented top, 37 vias
v3: diameter 23.62, hole 11.81, Top Layer to Bottom Layer, tented bottom, 27 vias
v4: diameter 23.62, hole 11.81, Top Layer to Bottom Layer, tented both sides, 26 vias
v5: diameter 30, hole 20, Top Layer to Bottom Layer, tented both sides, 3 vias
v6: diameter 27.56, hole 15.75, Top Layer to Bottom Layer, 2 vias
v7: diameter 18.9, hole 9.06, Top Layer to Bottom Layer, tented both sides, 1 vias
v8: diameter 60, hole 30, Top Layer to Bottom Layer, 1 vias

## Nets (pads, with @x,y where several pads share a name; then routed paths per layer and width w, separated by ;. In a path a pad name is that pad's centre, name@x,y a point inside that pad or via, vN(x,y) a via of type N, cw(c..) or ccw(c..) an arc to the next point about the centre after c; other vN are vias at no path point)
3V3: C7.1 C8.2 C13.1 C18.2 C19.2 C38.2 C39.2 C40.2 C41.2 C42.2 C44.2 C45.2 IC9.1 IC9.2 IC9.3 IC10.1 IC10.2 IC10.3 IC13.1 IC13.5 IC13.17 J1.2 J2.2 J8.1 LED4.2 R10.2 R11.2 R12.2 R13.2 R15.2 R17.2 R18.2 R19.2 R20.2 R25.2 R26.2 R29.2 R30.2 R31.2 R40.2 R41.1 R42.1 R43.1 R44.1 R45.1 R46.1 U2.2 U2.4 | length 13978.6
  Top Layer w8: J1.2@-398.62,-596.46 -398.62,-645.88 -390,-654.5 v2(-375.5,-654.5)
  Top Layer w10: R25.2@-1377.95,-789.37 R29.2@-1299.21,-789.37 -1217.56,-789.37 -1204.8,-776.61 -1031.18,-776.61 -941.14,-866.65 IC9.1@-941.14,-933.54 ; C18.2@-898.03,-590.55 -898.03,-389.03 -845.61,-336.61 v1(-398.62,-336.61) ; R11.2@-846.46,-1124.02 -846.46,-1085.46 -829.5,-1068.5 -771,-1068.5 ; v3@-573.5,-1068 -538,-1068 -525.29,-1080.71 R18.2@-452.76,-1080.71 R17.2@-334.64,-1080.71 ; R15.2@-157.48,-1710.63 -122.11,-1746 0,-1746 ; R12.2@0,-1710.63 0,-1746 ; 330,-1141.73 354.33,-1166.06 C7.1@354.33,-1366.14 ; v1(406.5,950) 476.5,950 497.5,971 497.5,1041 509.5,1053 629,1053 654.5,1078.5 ; v1(546.26,-336.61) 779.61,-336.61 834.25,-391.25 C19.2@834.25,-590.55 ; J8.1@620.63,1259.57 620.63,1146.87 654.5,1113 654.5,1078.5 ; v1(654.5,1012) 654.5,1078.5 ; R10.2@866.14,-1340.55 828.19,-1378.5 746.61,-1378.5 LED4.2@708.66,-1340.55 C8.2@629.92,-1340.55 551.95,-1340.55 526.36,-1366.14 C13.1@472.44,-1366.14 C7.1@354.33,-1366.14 ; v1(1291,-701.5) 1288.39,-704.11 1288.39,-725.95 1275.67,-738.67 1275.67,-774.68 1290.35,-789.37 R30.2@1299.21,-789.37 R26.2@1377.95,-789.37 ; 0,-1746 122.11,-1746 R13.2@157.48,-1710.63 195.61,-1672.5 274.5,-1672.5 311,-1636 311,-1409.47 C7.1@354.33,-1366.14
  Top Layer w20: IC9.1@-941.14,-933.54 IC9.2@-891.14,-933.54 IC9.3@-841.14,-933.54 -841.14,-998.36 -771,-1068.5 v1(-730.5,-1068.5) -730,-1068 v3@-573.5,-1068 ; J1.2@-398.62,-596.46 v1(-398.62,-336.61) v2(-206.17,-336.61) v1(-9.33,-336.61) v2(187.5,-336.61) v1(546.26,-336.61) J2.2@546.26,-596.46 ; v3(201.5,-1141.73) U2.2@262.01,-1141.73 330,-1141.73 U2.4@525.39,-1141.73 R20.2@669.29,-1141.73 R19.2@787.4,-1141.73 830.27,-1141.73 862,-1110 862,-1045.5 v1(891.14,-1016.36) IC10.3@891.14,-933.54 IC10.2@841.14,-933.54 IC10.1@791.14,-933.54
  Bottom Layer w6: R40.2@-932.28,-1231 -907.78,-1206.5 -783,-1206.5 -748,-1171.5 -748,-1086 v1(-730.5,-1068.5)
  Bottom Layer w8: R45.1@-513.78,-590.55 -479.45,-590.55 -415.5,-654.5 v2(-375.5,-654.5)
  Bottom Layer w10: v1@-403,-336.61 v1(-398.62,-336.61) R42.1@-345.28,-336.61 ; v2(-206.17,-336.61) R41.1@-148.43,-336.61 ; v1(-9.33,-336.61) R43.1@48.43,-336.61 ; R31.2@120.08,-1669.45 159.53,-1630 369,-1630 390,-1609 602,-1609 727,-1484 727,-1231 891.14,-1066.86 v1(891.14,-1016.36) 891.14,-701.5 ; v2(187.5,-336.61) R44.1@245.28,-336.61 ; C38.2@216.54,1131.5 C39.2@275.59,1131.5 C40.2@334.65,1131.5 334.65,1130.12 348.74,1116.02 352.28,1116.02 393.7,1074.61 C41.2@393.7,1073.23 393.7,1048.46 460.63,981.54 IC13.1@460.63,954.72 v1@406.5,954.72 ; v1(546.26,-336.61) 672.61,-336.61 746.06,-410.06 R46.1@746.06,-590.55 814.37,-590.55 871,-647.18 ; C42.2@708.66,1073.23 708.66,1025.39 695.27,1012 v1(654.5,1012) 615.82,1012 586.61,982.8 IC13.5@586.61,954.72 586.61,891.39 681.1,796.9 IC13.17@681.1,620.08 681.1,589.84 689.17,581.77 728.5,581.77 738.58,571.69 C44.2@738.58,551.18 C45.2@738.58,494.49 738.58,397.42 871,265 871,-647.18 ; v1(1291,-701.5) 891.14,-701.5 ; 871,-647.18 891.14,-667.32 891.14,-701.5
  Bottom Layer w20: v3@-573.5,-1068 -538,-1068 -464,-1142 v3@201.5,-1142
  other v3: -573.5,-1068.5
3V3_BT: C20.1 C21.1 IC10.5 IC10.6 IC10.7 IC10.8 SW3.2 U3.12 | length 1340.6
  Top Layer w20: v2(791.14,-778.5) IC10.8@791.14,-720 IC10.7@841.14,-720 IC10.6@891.14,-720 IC10.5@941.14,-720
  Bottom Layer w20: U3.12@237.99,-1034.61 237.99,-992.83 266.85,-963.98 437.8,-963.98 467.28,-993.46 467.28,-1079.45 498.72,-1110.89 577.79,-1110.89 C20.1@578.03,-1110.65 ; SW3.2@578.03,-1216.02 C20.1@578.03,-1110.65 ; v2@791,-778.5 791,-1070.5 750.85,-1110.65 C21.1@673.35,-1110.65 C20.1@578.03,-1110.65
3V3_IMU: C11.2 C15.2 C16.2 C17.2 C22.1 C23.1 C36.2 C37.2 FB2.2 IC7.3 IC7.4 IC7.28 IC8.1 IC8.16 IC12.4 R14.2 R16.2 R28.1 U4.1 U4.8 U4.13 | length 2812.6
  Top Layer w6: IC7.28@57.09,423.23 58.98,425.12 104.75,425.12 108.27,421.6 IC7.3@108.27,403.54 IC7.4@127.95,403.54
  Top Layer w8: v3(-56.5,715) -57.5,714 -57.5,663 -44.11,649.61 R14.2@-9.84,649.61 ; C11.2@-9.45,354.33 -9.45,385.98 27.8,423.23 IC7.28@57.09,423.23 ; v4(110.83,39.37) 110.83,91.83 183.5,164.5 183.5,259.5 v1(226.5,302.5) ; IC7.4@127.95,403.54 v4(127.95,442.5) ; R16.2@187.01,649.61 205.61,649.61 232.19,676.19 232.19,699.69 v3(232.5,700) ; v1(294.5,487.5) 324.8,517.8 R28.1@324.8,531.5
  Bottom Layer w6: U4.13@-60.83,-39.37 -60.69,-39.23 15.93,-39.23 22.29,-45.59 22.29,-59.5 U4.8@23.62,-60.83
  Bottom Layer w8: C16.2@-116.87,146 -133,162.13 -133,217.04 C15.2@-116.38,233.67 ; v3(-56.5,715) -26.5,685 -26.5,531 -69.43,488.07 IC12.4@-69.43,442.46 ; IC8.16@-47.24,219.69 -102.4,219.69 C15.2@-116.38,233.67 ; IC8.1@-39.37,247.24 -102.8,247.24 C15.2@-116.38,233.67 ; v1(226.5,302.5) 226.5,441.5 ; v3(232.5,700) 294.5,638 v1(294.5,487.5) 249.5,487.5 226.5,464.5 226.5,441.5 ; C15.2@-116.38,233.67 C17.2@-116.38,289 -116.38,427.52 -101.44,442.46 IC12.4@-69.43,442.46 ; IC12.4@-69.43,442.46 FB2.2@0.71,442.46 C23.1@72.48,442.46 C23.1@72.48,442.46 v4(127.95,442.5) 147.56,442.5 147.6,442.46 C22.1@166.89,461.75 206.25,461.75 226.5,441.5
  Bottom Layer w10: U4.8@23.62,-60.83 23.62,-83.03 35.51,-94.92 116.46,-94.92 127.28,-84.09 C36.2@127.28,-59.84 ; U4.1@60.83,39.37 v4(110.83,39.37) 127.05,23.15 127.05,-0.67 127.01,-0.79 C36.2@127.01,-59.72
3V3_NXP: C25.2 C26.2 C27.2 C28.2 C29.2 C47.2 D3.2 FB3.2 IC14.3 IC14.7 IC14.30 IC14.48 J9.4 R36.2 R50.2 U5.1 U6.4 U6.5 U12.11 U12.12 U12.13 | length 5193.6
  Top Layer w6: C28.2@236.22,1190.55 C28.2@236.61,1190.94 ; R36.2@462.6,1003.94 462.6,1043.1 485.5,1066 563.5,1066 584.5,1087 584.5,1222.5 v4(563,1244)
  Top Layer w10: D3.2@-748.03,667.32 -709.85,705.5 -538.98,705.5 ; C25.2@-538.98,748.03 -538.98,705.5 ; C27.2@-522.05,1220.47 -522.05,1260.04 -509.61,1272.48 -433.23,1272.48 -423.23,1262.48 IC14.48@-423.23,1210.16 -423.23,1157.94 -304.44,1039.15 -243.15,1039.15 -229,1025 ; IC14.3@-383.86,758.35 -383.86,705.5 ; v3(-365,705.5) -383.86,705.5 ; v4(-361.5,868.5) -361.5,890.5 -354.5,897.5 v4(-354.5,975) ; IC14.7@-305.12,758.35 v3(-305.12,705.62) -276.12,705.62 -220.5,650 -220.5,526.5 v2(-198.5,504.5) ; v4(-247.5,959.5) -247.5,1006.5 -229,1025 ; v4(-208.5,1025) -229,1025 ; v4(-154.5,1109) -150.81,1109 -134.33,1092.52 IC14.30@-49.69,1092.52 -15.52,1092.52 29.76,1047.24 C26.2@49.61,1047.24 ; v3(-125.5,1309) 242.5,1309 v1(273,1278.5) 293.31,1258.19 U5.1@293.31,1190.94 C28.2@236.61,1190.94 ; v1(134,865.5) 134.05,865.55 236.22,865.55 ; FB3.2@236.22,834.65 236.22,865.55 ; C29.2@442.91,834.25 442.91,865.55 236.22,865.55 ; 442.95,865.55 515.28,865.55 U6.5@515.87,866.14 U6.4@515.87,903.14 ; -538.98,705.5 -383.86,705.5
  Bottom Layer w6: v1(273,1278.5) 307.5,1244 v4(563,1244)
  Bottom Layer w10: J9.4@-452.87,1008.7 -407.2,1008.7 -376.11,977.61 -357.11,977.61 v4(-354.5,975) -266.69,975 -251.19,959.5 v4(-247.5,959.5) ; v3(-365,705.5) -364.94,705.56 -305.18,705.56 v3(-305.12,705.62) -305.12,792.62 -361.5,849 v4(-361.5,868.5) ; C47.2@-267,475.13 -267,476.51 -239.01,504.5 v2(-198.5,504.5) ; U12.13@-255.91,562.6 U12.12@-236.22,562.6 U12.11@-216.54,562.6 -216.54,524.38 -198.5,506.35 v2(-198.5,504.5) ; v4(-154.5,1109) -208.5,1055 v4(-208.5,1025) -208.5,1002 -188.5,982 -83,982 ; v3(-125.5,1309) -105.65,1289.15 -105.65,1004.65 -83,982 ; R50.2@-59.13,600.47 -59.13,549.87 -104.5,504.5 v2(-198.5,504.5) ; v1(134,865.5) 134,891 43,982 -83,982
3V3_SHARP: D5.3 IC9.5 IC9.6 IC9.7 IC9.8 J3.2 J4.2 J5.2 J6.2 J7.2 | length 5697.4
  Top Layer w20: J3.2@-1181.1,787.4 -1181.1,965.4 -1138.56,1007.94 D5.3@-1078.99,1007.94 ; v1(-980.71,-518.86) -941.14,-558.43 IC9.8@-941.14,-720 IC9.7@-891.14,-720 IC9.6@-841.14,-720 IC9.5@-791.14,-720
  Bottom Layer w20: v1(-980.71,-518.86) -1120.24,-518.86 -1204.8,-434.29 -1204.8,502.52 -1181.1,526.22 J3.2@-1181.1,787.4 -1181.1,1169.21 -999.29,1351.02 -538.74,1351.02 J5.2@-393.7,1496.06 -297.91,1496.06 -216.46,1414.61 -81.46,1414.61 J7.2@0,1496.06 0,1501.65 79.61,1581.26 219.53,1581.26 304.72,1496.06 J6.2@393.7,1496.06 581.06,1308.7 1047.8,1308.7 1181.1,1175.39 J4.2@1181.1,787.4
3VBAT: D3.1
BL_LED: LED10.1 U3.24 | length 332.7
  Bottom Layer w8: U3.24@178.94,-1546.42 178.94,-1579.53 195.41,-1596 344,-1596 375.9,-1564.1 LED10.1@458.5,-1564.1
BT_ON/OFF: IC10.4 IC14.2 R30.1 | length 4435
  Top Layer w6: v1(-661.4,797.18) -648.08,810.5 -426.37,810.5 -403.54,787.68 IC14.2@-403.54,758.35 ; v2(763.78,-141.61) 784.06,-161.89 1187.83,-161.89 1232.63,-206.68 1232.63,-838.06 ; IC10.4@941.14,-933.54 941.14,-989.76 v1(961.26,-1009.88) ; v1(1249.21,-992.48) 1249.21,-929.13 1232.63,-912.55 1232.63,-838.06 ; R30.1@1299.21,-864.17 1258.74,-864.17 1232.63,-838.06
  Bottom Layer w6: v1(-661.4,797.18) -707.87,750.7 -707.87,-19.57 -550.87,-176.57 639.69,-176.57 674.65,-141.61 v2(763.78,-141.61) ; v1(961.26,-1009.88) 1231.81,-1009.88 v1(1249.21,-992.48)
buzzer: LS1.4
CARD_DETECT: R51.2
CS: IC14.43 U12.2 | length 1108.7
  Top Layer w6: v4(-328.27,1095.24) -324.8,1098.7 IC14.43@-324.8,1210.16
  Bottom Layer w6: v4(-328.27,1095.24) -355.79,1095.24 -386.5,1125.94 -386.5,1149.61 -418.98,1182.09 -494.92,1182.09 -520.63,1156.38 -520.63,708.46 -482.39,670.23 -258.22,670.23 -255.91,667.91 U12.2@-255.91,657.87
CS_STM: IC8.5 IC13.10 | length 1756.6
  Top Layer w6: v1(223,189.5) 275,137.5 819.41,137.5 895.5,213.59 895.5,836.5 865.86,866.14 v2(830,866.14)
  Bottom Layer w6: IC8.5@39.37,247.24 39.37,262.37 51,274 138.5,274 v1(223,189.5) ; IC13.10@738.19,866.14 v2(830,866.14)
D_F_N: IC14.6 R38.1 | length 173.4
  Top Layer w5: R38.1@-344.49,600.39 -344.49,601.38 -316,629.87 -316,684 -324.8,692.8 IC14.6@-324.8,758.35
D_F_P: IC14.5 R37.1 | length 98.9
  Top Layer w5: R37.1@-344.49,659.45 IC14.5@-344.49,758.35
D_N: D4.3 D4.4 R38.2 USB.B7 | length 412.3
  Top Layer w5: v1(-577.76,554.5) D4.3@-577.76,592.52 ; USB.B7@-521.65,465.75 -521.65,583.85 -512.98,592.52 D4.4@-485.24,592.52 ; v1(-485.24,554.5) D4.4@-485.24,592.52 ; R38.2@-403.54,600.39 -439.11,600.39 -446.98,592.52 D4.4@-485.24,592.52
  Bottom Layer w5: v1(-577.76,554.5) v1(-485.24,554.5) ; v1@-484,554.5 v1@-483.5,555
D_P: D4.1 D4.6 R37.2 USB.B6 | length 385.5
  Top Layer w5: D4.1@-577.76,667.32 -525.68,667.32 ; USB.B6@-541.34,465.75 -541.34,651.66 -525.68,667.32 ; R37.2@-403.54,659.45 -438.45,659.45 -446.32,667.32 D4.6@-485.24,667.32 -525.68,667.32
EX_IR_L: IC14.12
EX_IR_R: IC14.11